# Altium PCB as14120_all_3.PcbDoc (part 1 of 2)
Units mm, origin at the board's own origin, x right, y up, seen from the top; angles counter-clockwise.
Board outline 130 x 100 mm, 6 copper layers (Top Layer, GND1, Signal_Power, Signal_midle, GND2, Bottom Layer), stack 0.963 mm thick; 376 components, 342 nets, 2187 pads, 668 vias.
Unrouted connection lines stored in the file: 1195.
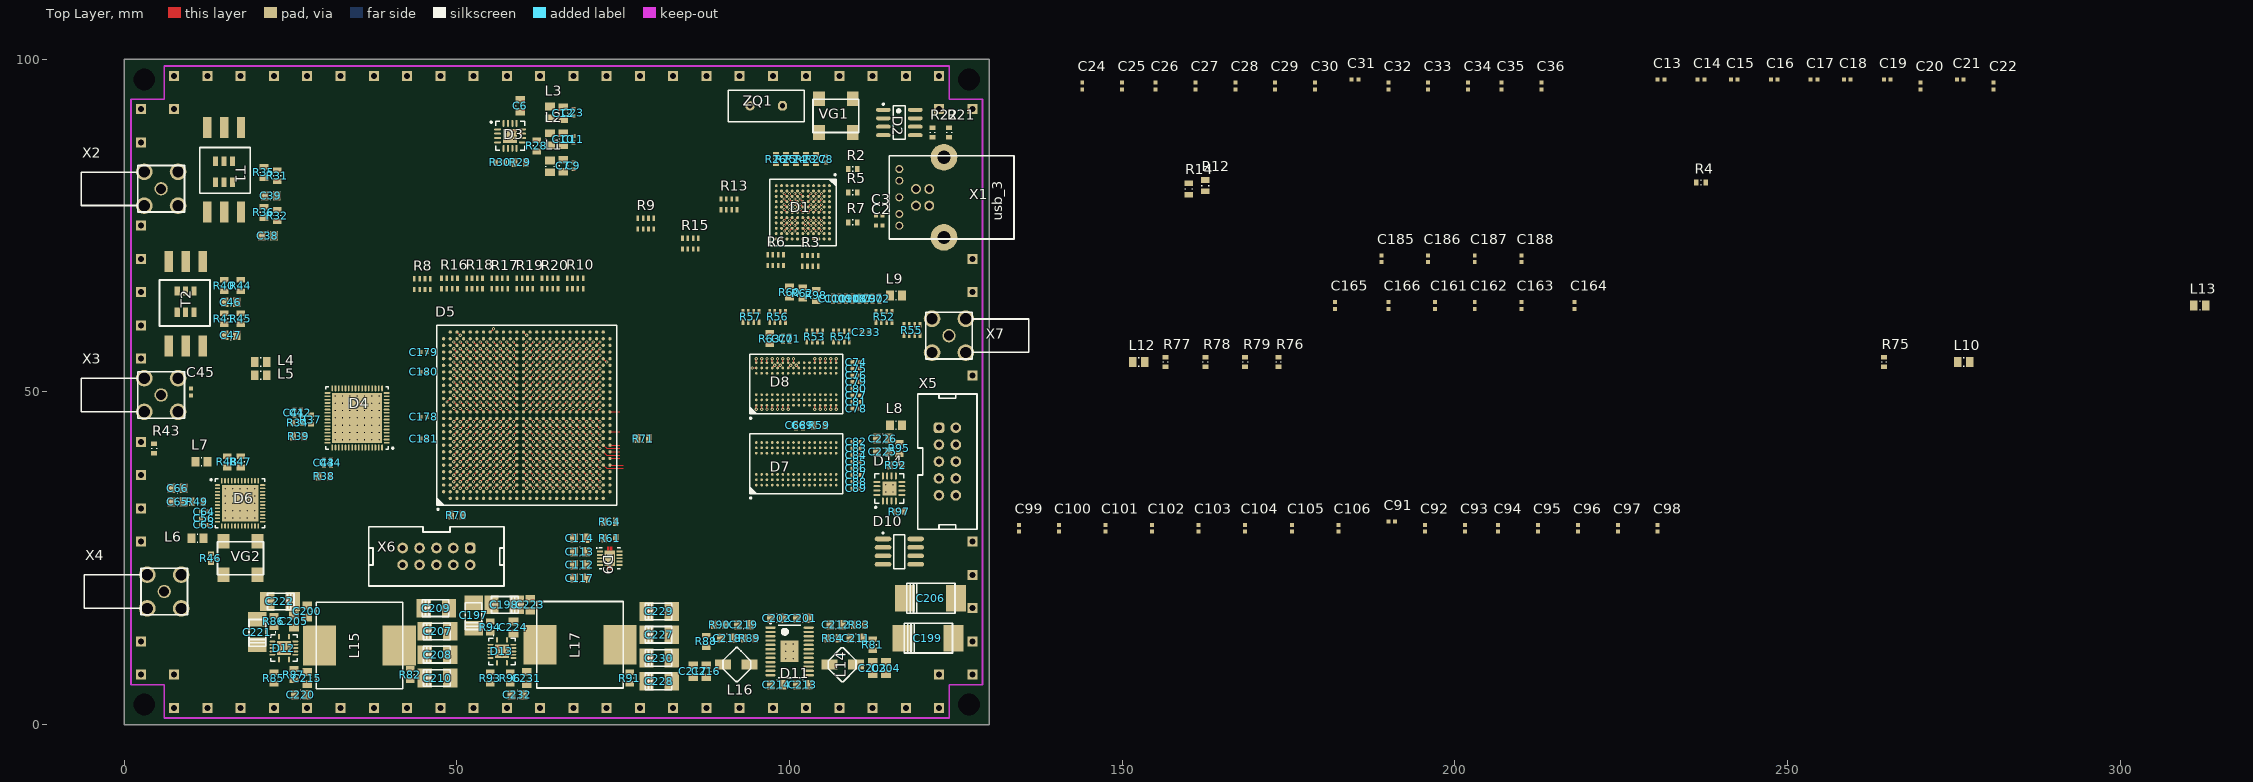
[diagram p0: Top Layer view]
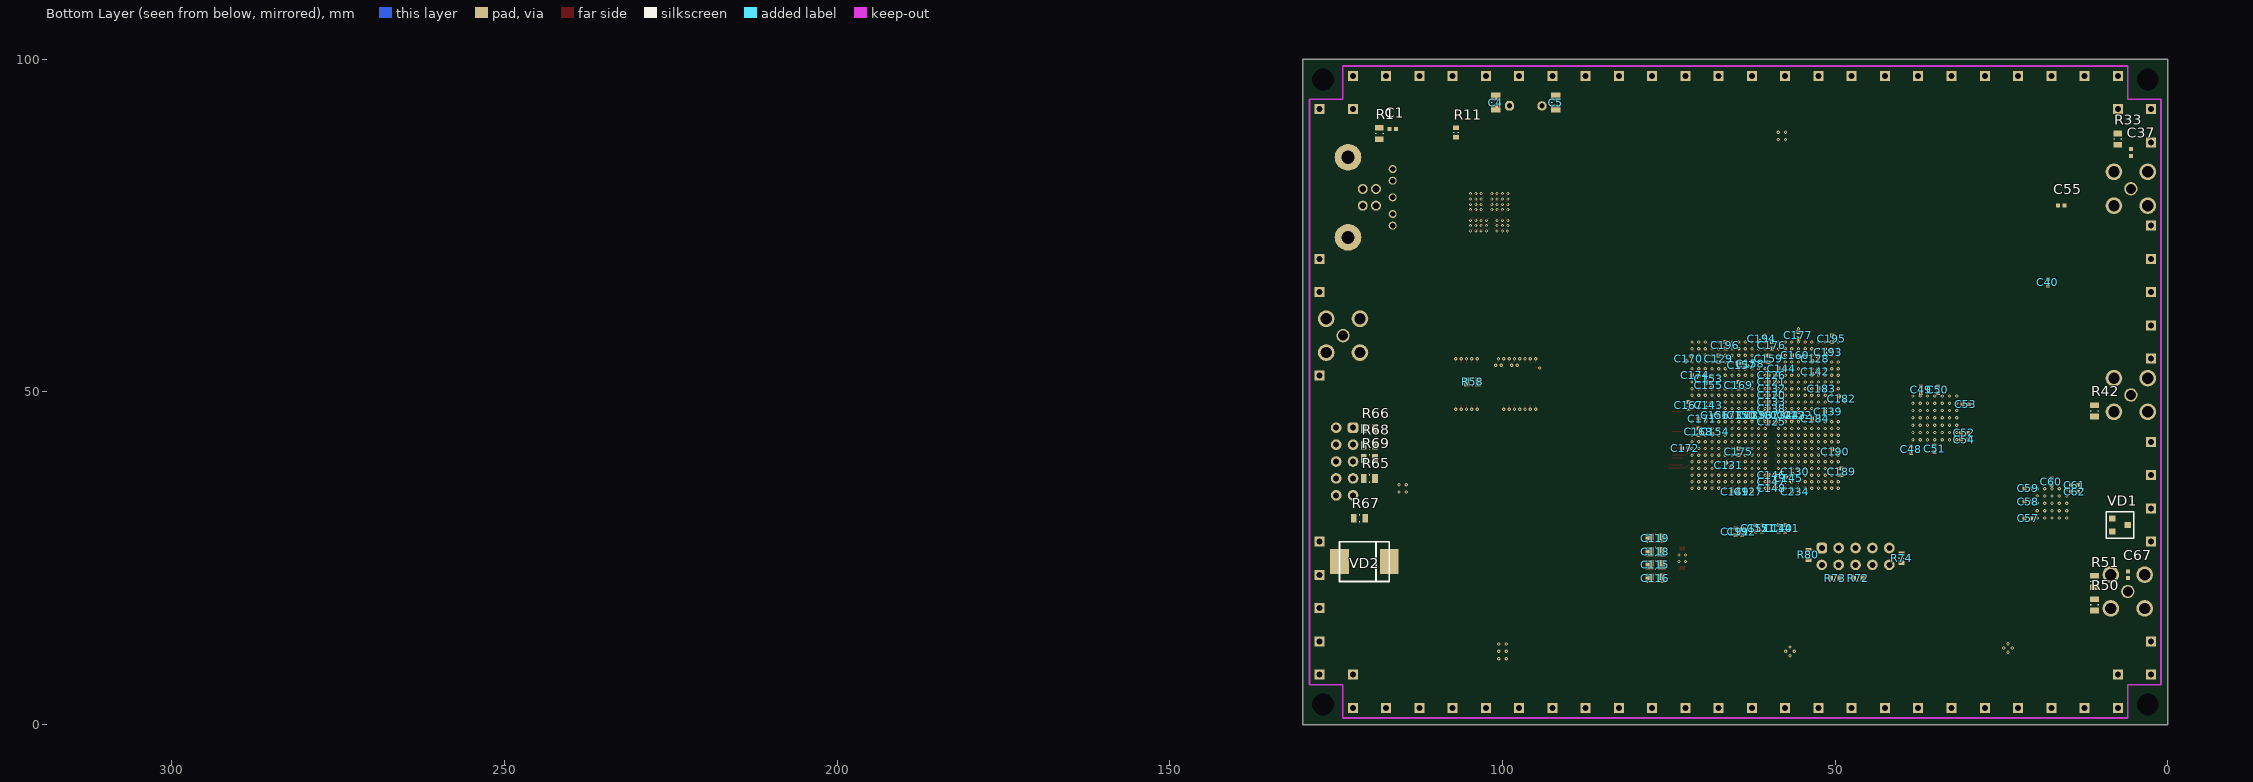
[diagram p1: Bottom Layer view, seen from below]
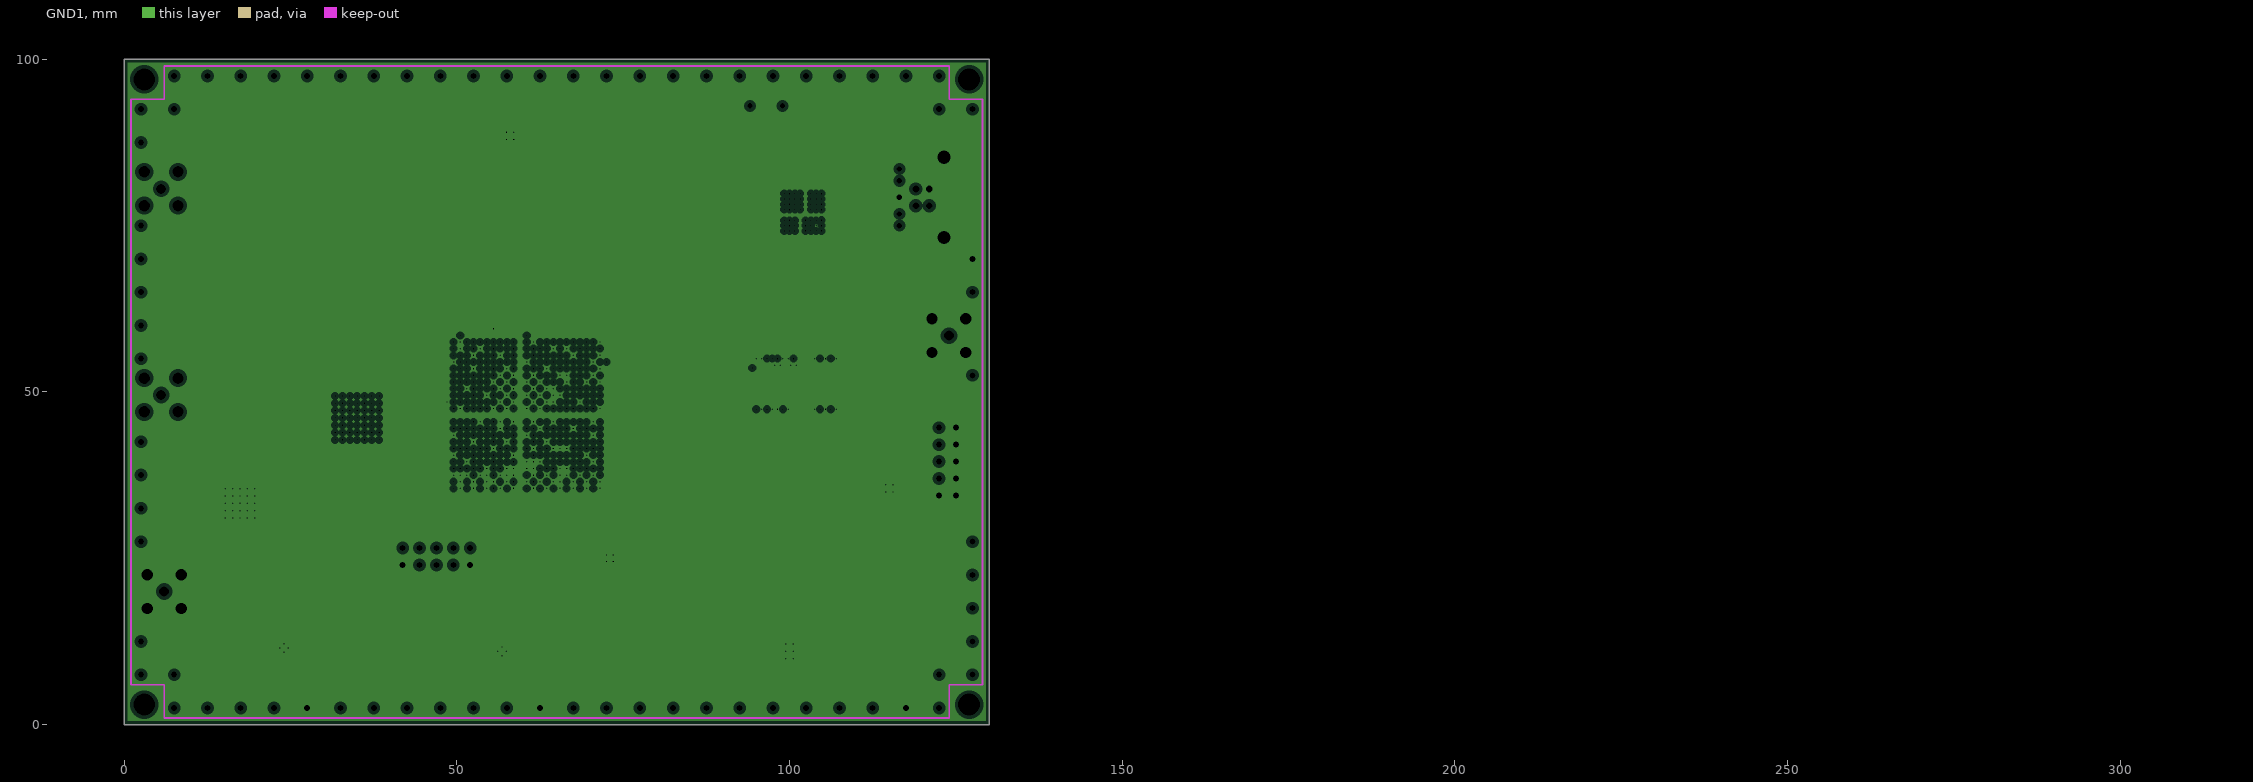
[diagram p2: GND1, clearances drawn from the general rule]
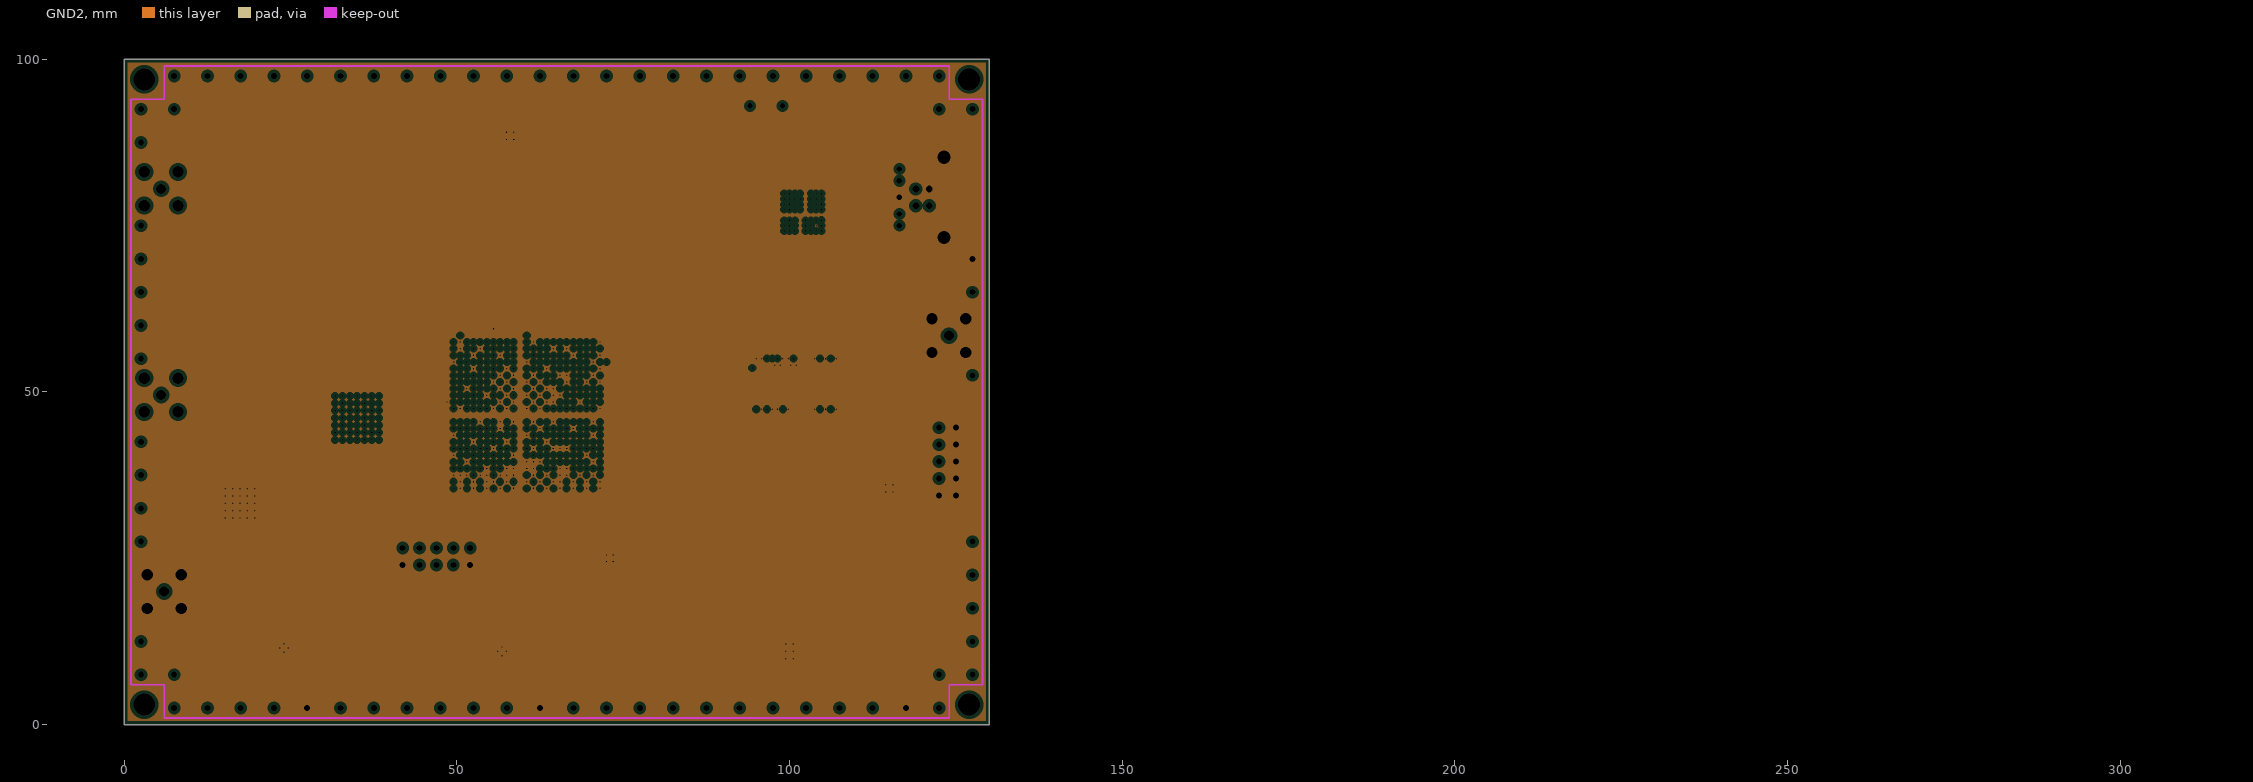
[diagram p3: GND2, clearances drawn from the general rule]

## Layer stack, top to bottom
Top Layer: signal copper 0.0356
Dielectric: prepreg 0.1, FR-4, Dk 4.8
GND1: plane copper 0.035, net 0V
Dielectric: core 0.2, FR-4, Dk 4.8
Signal_Power: signal copper 0.0356
Dielectric: prepreg 0.15, FR-4, Dk 4.8
Signal_midle: signal copper 0.0356
Dielectric: core 0.2, FR-4, Dk 4.4
GND2: plane copper 0.0356, net 0V
Dielectric: prepreg 0.1, FR-4, Dk 4.8
Bottom Layer: signal copper 0.0356

## Board outline
0,0 0,100 130,100 130,0

## Design rules (kind name [scope] priority, off if disabled: settings)
Clearance Clearance_bga [InComponent('D5')  Or InComponent('D1')   Or InComponent('D8')   Or InComponent('D7')] p1: gap=0.1
Clearance Clearance_all [All] p2: gap=0.15
Clearance Clearance_0p1 [HasFootprint('ALTR-672-FBGA-2000A') vs (InComponentClass('All Components'))] p3: gap=0.1
ComponentClearance [All] p1: gap=0.25 collisioncheckmode=3 verticalgap=0.254 showdistances=FALSE
DiffPairsRouting DiffPair_DiffPairsRouting [InDifferentialPair ('SS_TX')] p1: maxlimit=0.254 minlimit=0.254 mostfreqgap=0.254 maxuncoupledlength=12.7
DiffPairsRouting [All] p2: maxlimit=0.254 minlimit=0.254 mostfreqgap=0.254 maxuncoupledlength=12.7
FanoutControl Fanout_BGA [(InComponentClass('BGA'))] p1: bgadir=Out bgaviamode=Centered fanoutstyle=BGA fanoutdirection=Alternating viagrid=0.025 // Fanout_BGA (Default Rule)
FanoutControl Fanout_LCC [IsLCC] p2: bgadir=Out bgaviamode=Centered fanoutstyle=Auto fanoutdirection=OutOnly viagrid=0.025 // Fanout_LCC (Default Rule)
FanoutControl Fanout_Small [(CompPinCount < 5)] p4: bgadir=Out bgaviamode=Centered fanoutstyle=Auto fanoutdirection=OutOnly viagrid=0.025 // Fanout_Small (Default Rule)
HoleToHoleClearance [All] p1: gap=0.127 allowstackedmicrovias=TRUE
MatchedLengths DiffPair_MatchedLengths [InDifferentialPair ('SS_TX')] p1: tolerance=0.5 checknetsindiffpair=TRUE checkdiffpairvsdiffpair=TRUE checkothers=TRUE
MinimumAnnularRing [All] p1: minimumring=0.1
MinimumSolderMaskSliver [All] p1: minsoldermaskwidth=0.1
PlaneClearance [All] p1: clearance=0.508
PlaneConnect [All] p1: planeconnectstyle=Relief reliefexpansion=0.508 reliefentries=4 reliefconductorwidth=0.254 reliefairgap=0.254
PolygonConnect [All] p1: connectstyle=Relief reliefconductorwidth=0.254 reliefentries=4 polygonreliefangle="90 Angle" airgapwidth=0.254
RoutingVias RoutingVias_fbga [InComponent('D1')   Or InComponent('D8')   Or InComponent('D7')] p1: holewidth=0.2 width=0.45 viastyle="Through Hole" minholewidth=0.2 minwidth=0.45 maxholewidth=0.2 maxwidth=0.45
RoutingVias [All] p2: holewidth=0.2 width=0.55 viastyle="Through Hole" minholewidth=0.15 minwidth=0.45 maxholewidth=0.25 maxwidth=0.5
SilkToSilkClearance [All] p1: silktosilkclearance=0.1
SilkToSolderMaskClearance [IsPad] p1: minsilkscreentomaskgap=0.2 clearancetoexposedcopper=TRUE
SolderMaskExpansion SolderMaskExpansion_bga [InComponent('D5')  Or InComponent('D1')   Or InComponent('D8')   Or InComponent('D7')] p1: expansion=0
SolderMaskExpansion SolderMaskExpansion_via [IsVia] p2: expansion=-1
SolderMaskExpansion [All] p3: expansion=0.07
UnConnectedPin [All] p1:
Width DiffPair_Width [InDifferentialPair('SS_TX')] p1: maxlimit=0.1 minlimit=0.1 preferedwidth=0.1
Width [All] p2: maxlimit=0.2 minlimit=0.13 preferedwidth=0.15
Width Width_bga [InComponentClass('bga')] p3: maxlimit=0.2 minlimit=0.15 preferedwidth=0.2
17 further rules are at their usual default settings.

## Classes and differential pairs
component class as14120_fpga_ttl: D5 D10 R65 R66 R67 R68 R69 R70 X5
component class as14120_fpga_power_conf: C120 C121 C122 C123 C124 C125 C126 C127 C128 C129 C130 C131 C132 C133 C134 C135 C136 C137 C138 C139 C140 C141 C142 C143 C144 C145 C146 C147 C148 C149 C150 C151 C152 C153 C154 C155 C156 C157 C158 C159 C160 C161 C162 C163 C164 C165 C166 C167 C168 C169 C170 C171 C172 C173 C174 C175 C176 C177 C178 C179 C180 C181 C182 C183 C184 C185 C186 C187 C188 C189 C190 C191 C192 C193 C194 C195 C196 C234 L10 L12 L13 R72 R73 R74 R75 R76 R77 R78 R79 R80 X6
component class as14120_fpga_ddr: R71
component class as14120_power: C197 C198 C199 C200 C201 C202 C203 C204 C205 C206 C207 C208 C209 C210 C211 C212 C213 C214 C215 C216 C217 C218 C219 C220 C221 C222 C223 C224 C225 C226 C227 C228 C229 C230 C231 C232 D11 D12 D13 D14 L14 L15 L16 L17 R81 R82 R83 R84 R85 R86 R87 R88 R89 R90 R91 R92 R93 R94 R95 R96 R97 VD2 X7
component class as14120_ddr: C68 C69 C70 C71 C72 C73 C74 C75 C76 C77 C78 C79 C80 C81 C82 C83 C84 C85 C86 C87 C88 C89 C90 C91 C92 C93 C94 C95 C96 C97 C98 C99 C100 C101 C102 C103 C104 C105 C106 C107 C108 C109 C110 C111 C112 C113 C114 C115 C116 C117 C118 C119 C233 D7 D8 D9 L8 L9 R52 R53 R54 R55 R56 R57 R58 R59 R60 R61 R62 R63 R64 R98
component class as14120_adc: C37 C38 C39 C40 C41 C42 C43 C44 C45 C46 C47 C48 C49 C50 C51 C52 C53 C54 C55 C56 C57 C58 C59 C60 C61 C62 C63 C64 C65 C66 C67 D4 D6 L4 L5 L6 L7 R31 R32 R33 R34 R35 R36 R37 R38 R39 R40 R41 R42 R43 R44 R45 R46 R47 R48 R49 R50 R51 T1 T2 VD1 VG2 X2 X3 X4
component class as14120_usb: C1 C2 C3 C4 C5 C6 C7 C8 C9 C10 C11 C12 C13 C14 C15 C16 C17 C18 C19 C20 C21 C22 C23 C24 C25 C26 C27 C28 C29 C30 C31 C32 C33 C34 C35 C36 D1 D2 D3 L1 L2 L3 R1 R2 R3 R4 R5 R6 R7 R8 R9 R10 R11 R12 R13 R14 R15 R16 R17 R18 R19 R20 R21 R22 R23 R24 R25 R26 R27 R28 R29 R30 VG1 X1 ZQ1 ZQ?
differential pair class super_speed: SS_RX
differential pair class usb2: USB

## Components (designator, comment, footprint, x,y, rotation, side; value= is the part's Value field where it differs from the comment)
C1 "CAP 1uF 10V 0402(1005)" CAPC0402(1005)60_M 116.5,89.5 r180 bottom
C2 "CAP 1uF 10V 0402(1005)" CAPC0402(1005)60_M 113.5,75 r0 top
C3 "CAP 1uF 10V 0402(1005)" CAPC0402(1005)60_M 113.5,76.5 r0 top
C4 "CAP_0805" CAPC0805(2012)100_N 101,93.5 r270 bottom
C5 "CAP_0805" CAPC0805(2012)100_N 92,93.5 r270 bottom
C6 "CAP_0805" CAPC0805(2012)100_N 59.5,93 r270 top
C7 "CAP_0805" CAPC0805(2012)100_N 66,84 r90 top
C8 "CAP 1uF 10V 0402(1005)" CAPC0402(1005)60_M 105.5,85 r270 top
C9 "CAP 1uF 10V 0402(1005)" CAPC0402(1005)60_M 67.5,84 r90 top
C10 "CAP_0805" CAPC0805(2012)100_N 66,88 r90 top
C11 "CAP 1uF 10V 0402(1005)" CAPC0402(1005)60_M 67.5,88 r90 top
C12 "CAP_0805" CAPC0805(2012)100_N 66,91.9 r90 top
C13 "CAP 1uF 10V 0402(1005)" CAPC0402(1005)60_M 231,97 r0 top
C14 "CAP 1uF 10V 0402(1005)" CAPC0402(1005)60_M 237,97 r0 top
C15 "CAP 1uF 10V 0402(1005)" CAPC0402(1005)60_M 242,97 r0 top
C16 "CAP 1uF 10V 0402(1005)" CAPC0402(1005)60_M 248,97 r0 top
C17 "CAP 1uF 10V 0402(1005)" CAPC0402(1005)60_M 254,97 r0 top
C18 "CAP 1uF 10V 0402(1005)" CAPC0402(1005)60_M 259,97 r0 top
C19 "CAP 1uF 10V 0402(1005)" CAPC0402(1005)60_M 265,97 r0 top
C20 "CAP 1uF 10V 0402(1005)" CAPC0402(1005)60_M 270,96 r90 top
C21 "CAP 1uF 10V 0402(1005)" CAPC0402(1005)60_M 276,97 r0 top
C22 "CAP 1uF 10V 0402(1005)" CAPC0402(1005)60_M 281,96 r90 top
C23 "CAP 1uF 10V 0402(1005)" CAPC0402(1005)60_M 67.5,92 r90 top
C24 "CAP 1uF 10V 0402(1005)" CAPC0402(1005)60_M 144,96 r90 top
C25 "CAP 1uF 10V 0402(1005)" CAPC0402(1005)60_M 150,96 r90 top
C26 "CAP 1uF 10V 0402(1005)" CAPC0402(1005)60_M 155,96 r90 top
C27 "CAP 1uF 10V 0402(1005)" CAPC0402(1005)60_M 161,96 r90 top
C28 "CAP 1uF 10V 0402(1005)" CAPC0402(1005)60_M 167,96 r90 top
C29 "CAP 1uF 10V 0402(1005)" CAPC0402(1005)60_M 173,96 r90 top
C30 "CAP 1uF 10V 0402(1005)" CAPC0402(1005)60_M 179,96 r90 top
C31 "CAP 1uF 10V 0402(1005)" CAPC0402(1005)60_M 185,97 r0 top
C32 "CAP 1uF 10V 0402(1005)" CAPC0402(1005)60_M 190,96 r90 top
C33 "CAP 1uF 10V 0402(1005)" CAPC0402(1005)60_M 196,96 r90 top
C34 "CAP 1uF 10V 0402(1005)" CAPC0402(1005)60_M 202,96 r90 top
C35 "CAP 1uF 10V 0402(1005)" CAPC0402(1005)60_M 207,96 r90 top
C36 "CAP 1uF 10V 0402(1005)" CAPC0402(1005)60_M 213,96 r90 top
C37 "CAP 1uF 10V 0402(1005)" CAPC0402(1005)60_M 5.5,86 r270 bottom
C38 "CAP_0805" CAPC0805(2012)100_N 21.6,73.5 r0 top
C39 "CAP_0805" CAPC0805(2012)100_N 22,79.5 r0 top
C40 "CAP 1uF 10V 0402(1005)" CAPC0402(1005)60_M 18,66.5 r90 bottom
C41 "CAP 1uF 10V 0402(1005)" CAPC0402(1005)60_M 25.55,46.85 r270 top
C42 "CAP 1uF 10V 0402(1005)" CAPC0402(1005)60_M 26.55,46.85 r270 top
C43 "CAP 1uF 10V 0402(1005)" CAPC0402(1005)60_M 30.05,39.35 r90 top
C44 "CAP 1uF 10V 0402(1005)" CAPC0402(1005)60_M 31.05,39.35 r90 top
C45 "CAP 1uF 10V 0402(1005)" CAPC0402(1005)60_M 10,50 r90 top
C46 "CAP_0805" CAPC0805(2012)100_N 16,63.5 r180 top
C47 "CAP_0805" CAPC0805(2012)100_N 16,58.5 r180 top
C48 "CAP 1uF 10V 0402(1005)" CAPC0402(1005)60_M 38.55,41.35 r90 bottom
C49 "CAP 1uF 10V 0402(1005)" CAPC0402(1005)60_M 37.05,50.35 r90 bottom
C50 "CAP 1uF 10V 0402(1005)" CAPC0402(1005)60_M 34.55,50.35 r90 bottom
C51 "CAP 1uF 10V 0402(1005)" CAPC0402(1005)60_M 35.05,41.45 r90 bottom
C52 "CAP 1uF 10V 0402(1005)" CAPC0402(1005)60_M 30.55,43.85 r180 bottom
C53 "CAP 1uF 10V 0402(1005)" CAPC0402(1005)60_M 30.35,48.15 r180 bottom
C54 "CAP 1uF 10V 0402(1005)" CAPC0402(1005)60_M 30.55,42.85 r180 bottom
C55 "CAP 1uF 10V 0402(1005)" CAPC0402(1005)60_M 16,78 r180 bottom
C56 "CAP 1uF 10V 0402(1005)" CAPC0402(1005)60_M 12,31 r0 top
C57 "CAP 1uF 10V 0402(1005)" CAPC0402(1005)60_M 21,31 r180 bottom
C58 "CAP 1uF 10V 0402(1005)" CAPC0402(1005)60_M 21,33.5 r180 bottom
C59 "CAP 1uF 10V 0402(1005)" CAPC0402(1005)60_M 21,35.5 r180 bottom
C60 "CAP 1uF 10V 0402(1005)" CAPC0402(1005)60_M 17.5,36.5 r90 bottom
C61 "CAP 1uF 10V 0402(1005)" CAPC0402(1005)60_M 14,36 r180 bottom
C62 "CAP 1uF 10V 0402(1005)" CAPC0402(1005)60_M 14,35 r180 bottom
C63 "CAP 1uF 10V 0402(1005)" CAPC0402(1005)60_M 12,30 r0 top
C64 "CAP 1uF 10V 0402(1005)" CAPC0402(1005)60_M 12,32 r0 top
C65 "CAP_0805" CAPC0805(2012)100_N 8,33.5 r0 top
C66 "CAP_0805" CAPC0805(2012)100_N 8,35.5 r0 top
C67 "CAP 1uF 10V 0402(1005)" CAPC0402(1005)60_M 6,22.5 r90 bottom
C68 "CAP 1uF 10V 0402(1005)" CAPC0402(1005)60_M 101,45 r90 top
C69 "CAP 1uF 10V 0402(1005)" CAPC0402(1005)60_M 102,45 r90 top
C70 "CAP 1uF 10V 0402(1005)" CAPC0402(1005)60_M 99,58 r90 top
C71 "CAP 1uF 10V 0402(1005)" CAPC0402(1005)60_M 100,58 r90 top
C72 "CAP 1uF 10V 0402(1005)" CAPC0402(1005)60_M 113.5,64 r90 top
C73 "CAP 1uF 10V 0402(1005)" CAPC0402(1005)60_M 111.5,64 r90 top
C74 "CAP 1uF 10V 0402(1005)" CAPC0402(1005)60_M 110,54.5 r180 top
C75 "CAP 1uF 10V 0402(1005)" CAPC0402(1005)60_M 110,53.5 r180 top
C76 "CAP 1uF 10V 0402(1005)" CAPC0402(1005)60_M 110,52.5 r180 top
C77 "CAP 1uF 10V 0402(1005)" CAPC0402(1005)60_M 110,49.5 r180 top
C78 "CAP 1uF 10V 0402(1005)" CAPC0402(1005)60_M 110,47.5 r180 top
C79 "CAP 1uF 10V 0402(1005)" CAPC0402(1005)60_M 110,51.5 r180 top
C80 "CAP 1uF 10V 0402(1005)" CAPC0402(1005)60_M 110,50.5 r180 top
C81 "CAP 1uF 10V 0402(1005)" CAPC0402(1005)60_M 110,48.5 r180 top
C82 "CAP 1uF 10V 0402(1005)" CAPC0402(1005)60_M 110,42.5 r180 top
C83 "CAP 1uF 10V 0402(1005)" CAPC0402(1005)60_M 110,41.5 r180 top
C84 "CAP 1uF 10V 0402(1005)" CAPC0402(1005)60_M 110,40.5 r180 top
C85 "CAP 1uF 10V 0402(1005)" CAPC0402(1005)60_M 110,39.5 r180 top
C86 "CAP 1uF 10V 0402(1005)" CAPC0402(1005)60_M 110,38.5 r180 top
C87 "CAP 1uF 10V 0402(1005)" CAPC0402(1005)60_M 110,37.5 r180 top
C88 "CAP 1uF 10V 0402(1005)" CAPC0402(1005)60_M 110,36.5 r180 top
C89 "CAP 1uF 10V 0402(1005)" CAPC0402(1005)60_M 110,35.5 r180 top
C90 "CAP 1uF 10V 0402(1005)" CAPC0402(1005)60_M 112.5,64 r90 top
C91 "CAP 1uF 10V 0402(1005)" CAPC0402(1005)60_M 190.5,30.5 r0 top
C92 "CAP 1uF 10V 0402(1005)" CAPC0402(1005)60_M 195.5,29.5 r90 top
C93 "CAP 1uF 10V 0402(1005)" CAPC0402(1005)60_M 201.5,29.5 r90 top
C94 "CAP 1uF 10V 0402(1005)" CAPC0402(1005)60_M 206.5,29.5 r90 top
C95 "CAP 1uF 10V 0402(1005)" CAPC0402(1005)60_M 212.5,29.5 r90 top
C96 "CAP 1uF 10V 0402(1005)" CAPC0402(1005)60_M 218.5,29.5 r90 top
C97 "CAP 1uF 10V 0402(1005)" CAPC0402(1005)60_M 224.5,29.5 r90 top
C98 "CAP 1uF 10V 0402(1005)" CAPC0402(1005)60_M 230.5,29.5 r90 top
C99 "CAP 1uF 10V 0402(1005)" CAPC0402(1005)60_M 134.5,29.5 r90 top
C100 "CAP 1uF 10V 0402(1005)" CAPC0402(1005)60_M 140.5,29.5 r90 top
C101 "CAP 1uF 10V 0402(1005)" CAPC0402(1005)60_M 147.5,29.5 r90 top
C102 "CAP 1uF 10V 0402(1005)" CAPC0402(1005)60_M 154.5,29.5 r90 top
C103 "CAP 1uF 10V 0402(1005)" CAPC0402(1005)60_M 161.5,29.5 r90 top
C104 "CAP 1uF 10V 0402(1005)" CAPC0402(1005)60_M 168.5,29.5 r90 top
C105 "CAP 1uF 10V 0402(1005)" CAPC0402(1005)60_M 175.5,29.5 r90 top
C106 "CAP 1uF 10V 0402(1005)" CAPC0402(1005)60_M 182.5,29.5 r90 top
C107 "CAP 1uF 10V 0402(1005)" CAPC0402(1005)60_M 110.5,64 r90 top
C108 "CAP 1uF 10V 0402(1005)" CAPC0402(1005)60_M 109.5,64 r90 top
C109 "CAP 1uF 10V 0402(1005)" CAPC0402(1005)60_M 107.5,64 r90 top
C110 "CAP 1uF 10V 0402(1005)" CAPC0402(1005)60_M 108.5,64 r270 top
C111 "CAP 1uF 10V 0402(1005)" CAPC0402(1005)60_M 106.5,64 r270 top
C112 "CAP_0805" CAPC0805(2012)100_N 68.5,24 r180 top
C113 "CAP_0805" CAPC0805(2012)100_N 68.5,26 r180 top
C114 "CAP_0805" CAPC0805(2012)100_N 68.5,28 r180 top
C115 "CAP_0805" CAPC0805(2012)100_N 77,24 r0 bottom
C116 "CAP_0805" CAPC0805(2012)100_N 77,22 r0 bottom
C117 "CAP_0805" CAPC0805(2012)100_N 68.5,22 r180 top
C118 "CAP_0805" CAPC0805(2012)100_N 77,26 r0 bottom
C119 "CAP_0805" CAPC0805(2012)100_N 77,28 r0 bottom
C120 "CAP 1uF 10V 0402(1005)" CAPC0402(1005)60_M 59.5,49.5 r180 bottom
C121 "CAP 1uF 10V 0402(1005)" CAPC0402(1005)60_M 59.5,51.5 r180 bottom
C122 "CAP 1uF 10V 0402(1005)" CAPC0402(1005)60_M 55.5,46.5 r270 bottom
C123 "CAP 1uF 10V 0402(1005)" CAPC0402(1005)60_M 56.5,46.5 r90 bottom
C124 "CAP 1uF 10V 0402(1005)" CAPC0402(1005)60_M 57.5,46.5 r270 bottom
C125 "CAP 1uF 10V 0402(1005)" CAPC0402(1005)60_M 59.5,45.5 r0 bottom
C126 "CAP 1uF 10V 0402(1005)" CAPC0402(1005)60_M 59.5,52.5 r0 bottom
C127 "CAP 1uF 10V 0402(1005)" CAPC0402(1005)60_M 63,35 r180 bottom
C128 "CAP 1uF 10V 0402(1005)" CAPC0402(1005)60_M 53,55 r315 bottom
C129 "CAP 1uF 10V 0402(1005)" CAPC0402(1005)60_M 67.5,55 r270 bottom
C130 "CAP 1uF 10V 0402(1005)" CAPC0402(1005)60_M 56,38 r135 bottom
C131 "CAP 1uF 10V 0402(1005)" CAPC0402(1005)60_M 66,39 r45 bottom
C132 "CAP 1uF 10V 0402(1005)" CAPC0402(1005)60_M 59.5,50.5 r0 bottom
C133 "CAP 1uF 10V 0402(1005)" CAPC0402(1005)60_M 59.5,48.5 r0 bottom
C134 "CAP 1uF 10V 0402(1005)" CAPC0402(1005)60_M 58.5,46.5 r90 bottom
C135 "CAP 1uF 10V 0402(1005)" CAPC0402(1005)60_M 62.5,46.5 r270 bottom
C136 "CAP 1uF 10V 0402(1005)" CAPC0402(1005)60_M 61.5,46.5 r90 bottom
C137 "CAP 1uF 10V 0402(1005)" CAPC0402(1005)60_M 60.5,46.5 r270 bottom
C138 "CAP 1uF 10V 0402(1005)" CAPC0402(1005)60_M 59.5,47.5 r180 bottom
C139 "CAP 1uF 10V 0402(1005)" CAPC0402(1005)60_M 51,47 r0 bottom
C140 "CAP 1uF 10V 0402(1005)" CAPC0402(1005)60_M 58.5,29.5 r90 bottom
C141 "CAP 1uF 10V 0402(1005)" CAPC0402(1005)60_M 57.5,29.5 r90 bottom
C142 "CAP 1uF 10V 0402(1005)" CAPC0402(1005)60_M 53,53 r315 bottom
C143 "CAP 1uF 10V 0402(1005)" CAPC0402(1005)60_M 69,48 r315 bottom
C144 "CAP 1uF 10V 0402(1005)" CAPC0402(1005)60_M 58,53.5 r0 bottom
C145 "CAP 1uF 10V 0402(1005)" CAPC0402(1005)60_M 57,37 r225 bottom
C146 "CAP 1uF 10V 0402(1005)" CAPC0402(1005)60_M 59.5,37.5 r0 bottom
C147 "CAP 1uF 10V 0402(1005)" CAPC0402(1005)60_M 59.5,36.5 r180 bottom
C148 "CAP 1uF 10V 0402(1005)" CAPC0402(1005)60_M 59.5,35.5 r0 bottom
C149 "CAP 1uF 10V 0402(1005)" CAPC0402(1005)60_M 65,35 r180 bottom
C150 "CAP 1uF 10V 0402(1005)" CAPC0402(1005)60_M 64,46.5 r180 bottom
C151 "CAP 1uF 10V 0402(1005)" CAPC0402(1005)60_M 61,29.5 r90 bottom
C152 "CAP 1uF 10V 0402(1005)" CAPC0402(1005)60_M 62,29.5 r90 bottom
C153 "CAP 1uF 10V 0402(1005)" CAPC0402(1005)60_M 69,52 r135 bottom
C154 "CAP 1uF 10V 0402(1005)" CAPC0402(1005)60_M 68,44 r315 bottom
C155 "CAP 1uF 10V 0402(1005)" CAPC0402(1005)60_M 69,51 r225 bottom
C156 "CAP 1uF 10V 0402(1005)" CAPC0402(1005)60_M 68,46.5 r0 bottom
C157 "CAP 1uF 10V 0402(1005)" CAPC0402(1005)60_M 64,54 r45 bottom
C158 "CAP 1uF 10V 0402(1005)" CAPC0402(1005)60_M 62.75,54.25 r135 bottom
C159 "CAP 1uF 10V 0402(1005)" CAPC0402(1005)60_M 60,55 r90 bottom
C160 "CAP 1uF 10V 0402(1005)" CAPC0402(1005)60_M 56,55.5 r180 bottom
C161 "CAP 1uF 10V 0402(1005)" CAPC0402(1005)60_M 197,63 r90 top
C162 "CAP 1uF 10V 0402(1005)" CAPC0402(1005)60_M 203,63 r90 top
C163 "CAP 1uF 10V 0402(1005)" CAPC0402(1005)60_M 210,63 r90 top
C164 "CAP 1uF 10V 0402(1005)" CAPC0402(1005)60_M 218,63 r90 top
C165 "CAP 1uF 10V 0402(1005)" CAPC0402(1005)60_M 182,63 r90 top
C166 "CAP 1uF 10V 0402(1005)" CAPC0402(1005)60_M 190,63 r90 top
C167 "CAP 1uF 10V 0402(1005)" CAPC0402(1005)60_M 72,48 r90 bottom
C168 "CAP 1uF 10V 0402(1005)" CAPC0402(1005)60_M 70.5,44 r90 bottom
C169 "CAP 1uF 10V 0402(1005)" CAPC0402(1005)60_M 64.5,51 r90 bottom
C170 "CAP 1uF 10V 0402(1005)" CAPC0402(1005)60_M 72,55 r315 bottom
C171 "CAP 1uF 10V 0402(1005)" CAPC0402(1005)60_M 70,46 r180 bottom
C172 "CAP 1uF 10V 0402(1005)" CAPC0402(1005)60_M 72.5,41.5 r180 bottom
C173 "CAP 1uF 10V 0402(1005)" CAPC0402(1005)60_M 66,46.5 r0 bottom
C174 "CAP 1uF 10V 0402(1005)" CAPC0402(1005)60_M 71,52.5 r0 bottom
C175 "CAP 1uF 10V 0402(1005)" CAPC0402(1005)60_M 64.5,41 r270 bottom
C176 "CAP 1uF 10V 0402(1005)" CAPC0402(1005)60_M 59.5,57 r270 bottom
C177 "CAP 1uF 10V 0402(1005)" CAPC0402(1005)60_M 55.5,58.5 r270 bottom
C178 "CAP 1uF 10V 0402(1005)" CAPC0402(1005)60_M 45,46.25 r0 top
C179 "CAP 1uF 10V 0402(1005)" CAPC0402(1005)60_M 45,56 r0 top
C180 "CAP 1uF 10V 0402(1005)" CAPC0402(1005)60_M 45,53 r0 top
C181 "CAP 1uF 10V 0402(1005)" CAPC0402(1005)60_M 45,43 r0 top
C182 "CAP 1uF 10V 0402(1005)" CAPC0402(1005)60_M 49,49 r45 bottom
C183 "CAP 1uF 10V 0402(1005)" CAPC0402(1005)60_M 52,50.5 r0 bottom
C184 "CAP 1uF 10V 0402(1005)" CAPC0402(1005)60_M 53,46 r180 bottom
C185 "CAP 1uF 10V 0402(1005)" CAPC0402(1005)60_M 189,70 r90 top
C186 "CAP 1uF 10V 0402(1005)" CAPC0402(1005)60_M 196,70 r90 top
C187 "CAP 1uF 10V 0402(1005)" CAPC0402(1005)60_M 203,70 r90 top
C188 "CAP 1uF 10V 0402(1005)" CAPC0402(1005)60_M 210,70 r90 top
C189 "CAP 1uF 10V 0402(1005)" CAPC0402(1005)60_M 49,38 r90 bottom
C190 "CAP 1uF 10V 0402(1005)" CAPC0402(1005)60_M 50,41 r45 bottom
C191 "CAP 1uF 10V 0402(1005)" CAPC0402(1005)60_M 65,29 r90 bottom